# Altium PCB Tugas 1_Magang 2.PcbDoc
Units mil, origin at the board's own origin, x right, y up, seen from the top; angles counter-clockwise.
Board outline 4895 x 5200 mil, 2 copper layers (Top Layer, Bottom Layer); 18 components, 53 nets, 188 pads, 42 vias.
Unrouted connection lines stored in the file: 20.
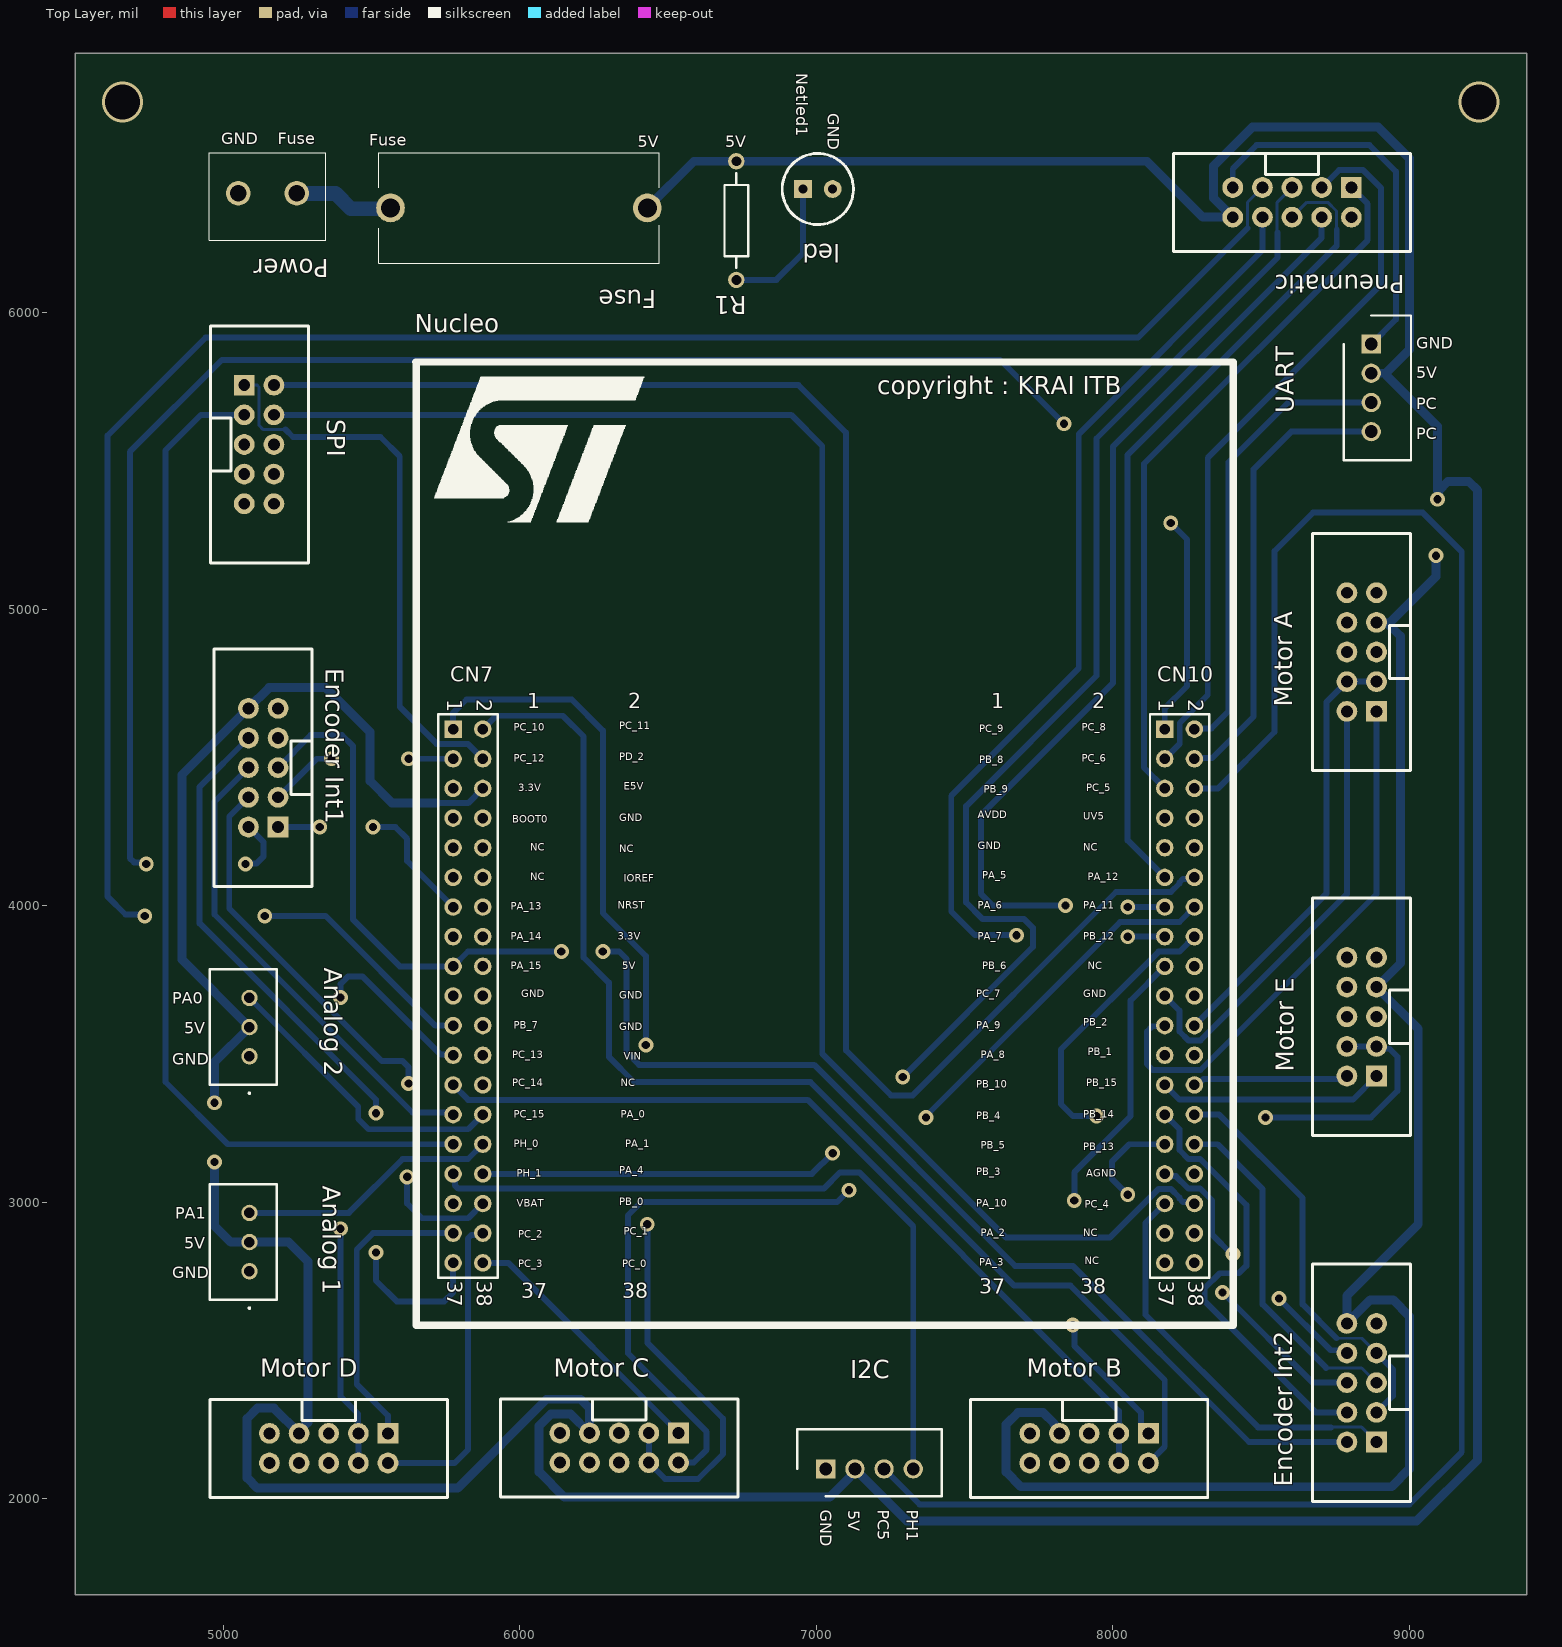
[diagram p0: Top Layer view]
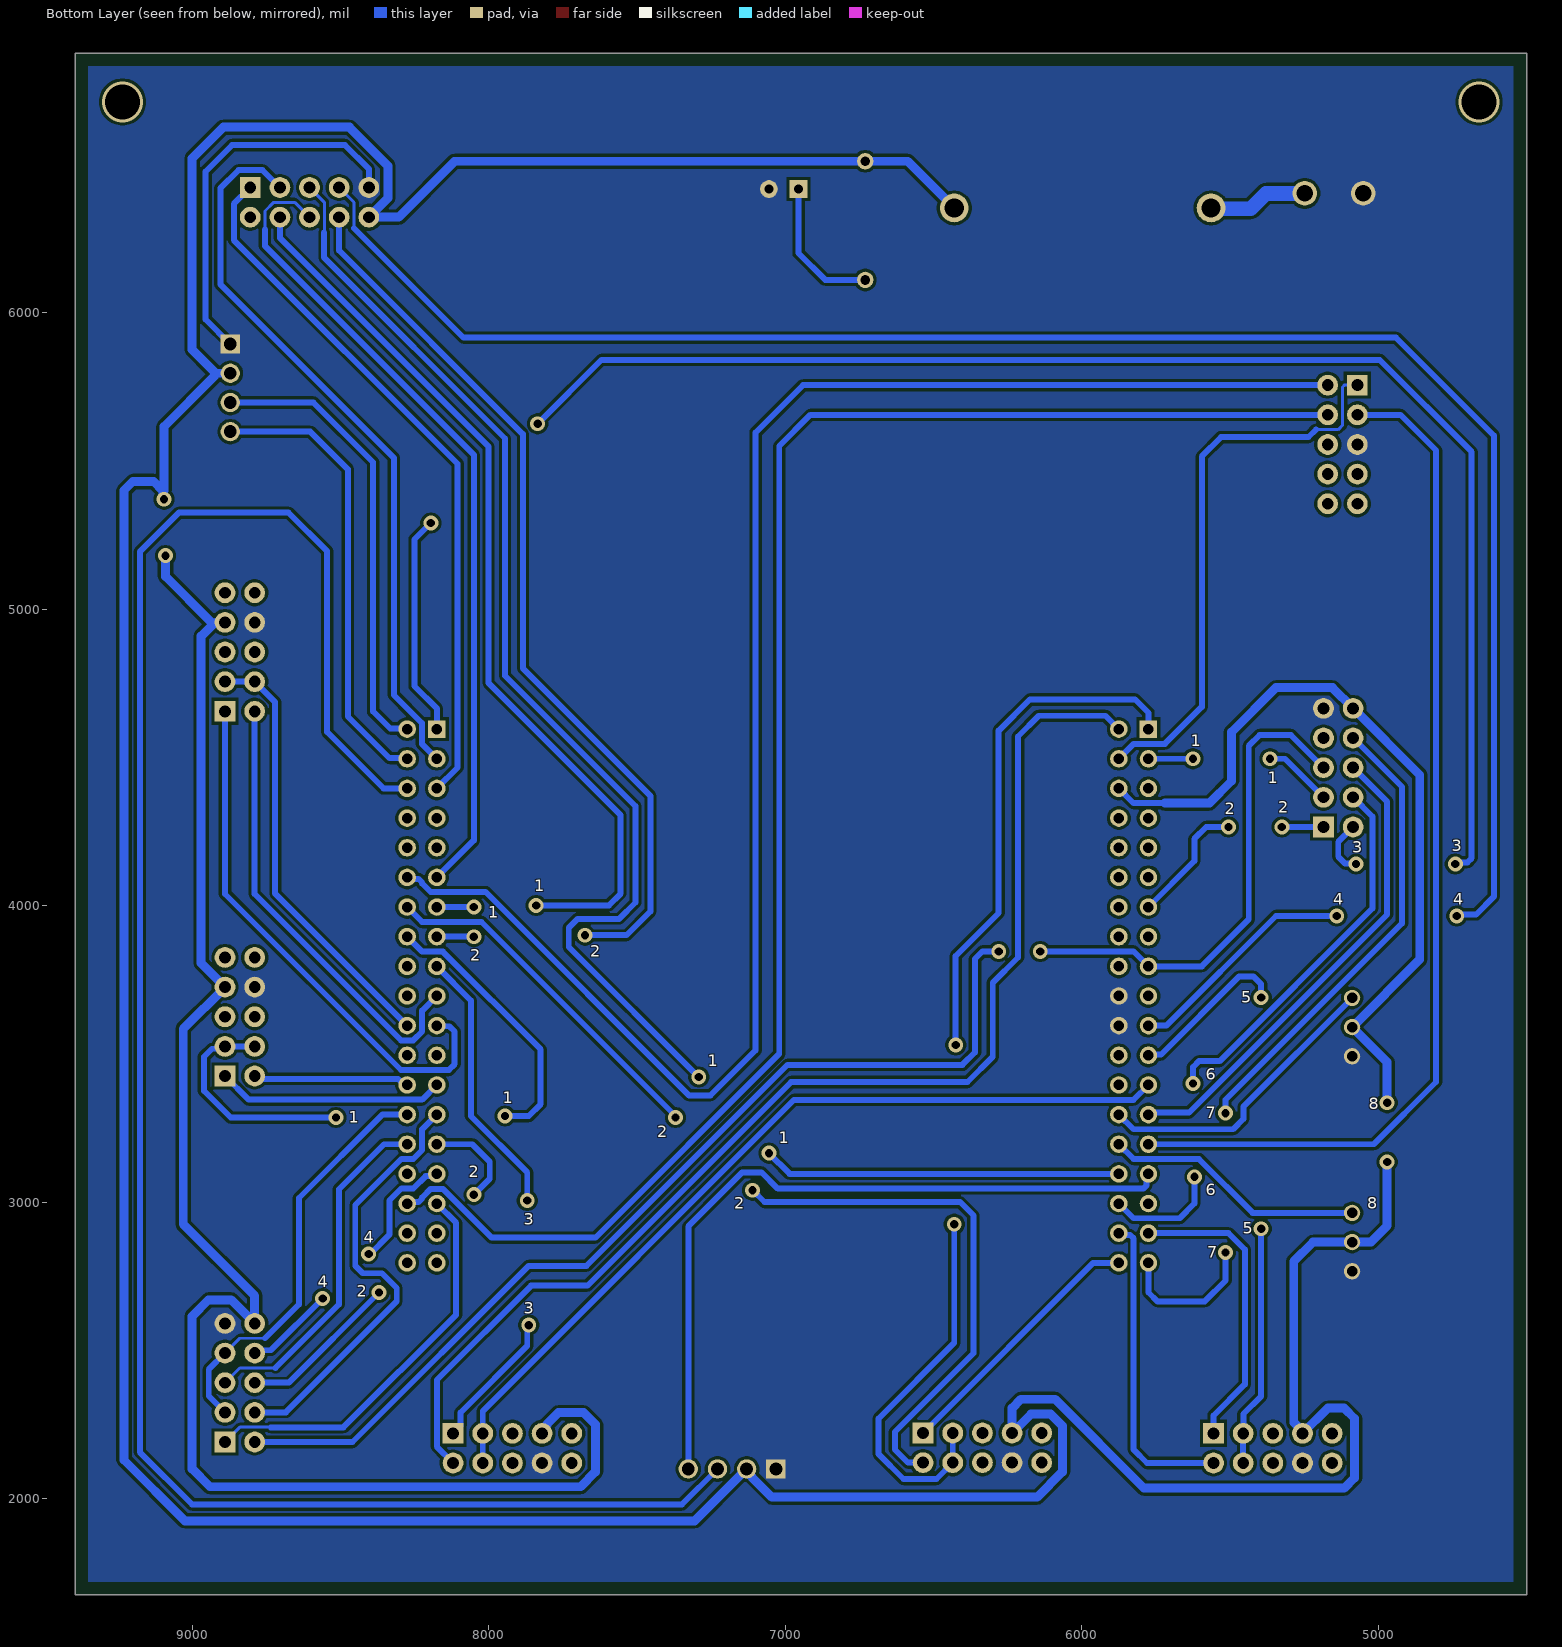
[diagram p1: Bottom Layer view, seen from below]

## Layer stack, top to bottom
Top Solder: solder mask 0.4, Solder Resist, Dk 3.5
Top Layer: signal copper 1.4
Dielectric 1: dielectric 12.6, FR-4, Dk 4.8
Bottom Layer: signal copper 1.4
Bottom Solder: solder mask 0.4, Solder Resist, Dk 3.5

## Board outline
9395,6875 9395,1675 4500,1675 4500,6875

## Design rules (kind name [scope] priority, off if disabled: settings)
Clearance [All] p1: gap=10 ignorepadtopadclearanceinfootprint=FALSE
PolygonConnect [All] p1: connectstyle=Direct reliefconductorwidth=10 reliefentries=4 polygonreliefangle="90 Angle" airgapwidth=10
RoomDefinition "Tugas 1_Magang 2" [InComponentClass('Tugas 1_Magang 2')] p1: confinementstyle=ConfineIn formatcopy=TRUE lockcomponents=FALSE outline 4500,1675 9395,1675 9395,6875 4500,6875
RoutingVias [All] p1: holewidth=28 width=50 viastyle="Through Hole" minholewidth=28 minwidth=50 maxholewidth=28 maxwidth=50
SolderMaskExpansion [All] p1: expansion=4 istentingtop=FALSE
Width [All] p1: maxlimit=50 minlimit=10 preferedwidth=20 toplayer_maxwidth=10 toplayer_prefwidth=10 minimp=50.000000 maximp=50.000000 favimp=50.000000
30 further rules are at their usual default settings.

## Classes and differential pairs
component class "Tugas 1_Magang 2": "Analog 1" "Analog 2" "Encoder Int1" "Encoder Int2" Fuse I2C led "Motor A" "Motor B" "Motor C" "Motor D" "Motor E" Pneumatic Power R1 SPI UART

## Components (designator, comment, footprint, x,y, rotation, side; value= is the part's Value field where it differs from the comment)
"Analog 1" "B3B-XH-A_LF__SN_" B3BXHALFSN 5088.23,2766.57 r90 top (schematic designator Analog_1)
"Analog 2" "B3B-XH-A_LF__SN_" B3BXHALFSN 5088.23,3491.57 r90 top (schematic designator Analog_2)
"Encoder Int1" "Header ISP" "Header ISP" 5284.69,4365 r90 top (schematic designator Encoder_Int1)
"Encoder Int2" "Header ISP" "Header ISP" 8989.19,2290.74 r90 top (schematic designator Encoder_Int2)
Fuse "C3131" C3131 6430,6352.58 r180 top
I2C "B4B-XH-A_LF__SN_" SHDR4W64P0X250_1X4_1240X575X700P 7031.57,2100 r0 top
led "LED 5mm" "LED 5mm" 7005,6416.49 r0 top
"Motor A" "Header ISP" "Header ISP" 8989.19,4755 r90 top (schematic designator Motor_A)
"Motor B" "Header ISP" "Header ISP" 8020,2320 r180 top (schematic designator Motor_B)
"Motor C" "Header ISP" "Header ISP" 6435,2321.07 r180 top (schematic designator Motor_C)
"Motor D" "Header ISP" "Header ISP" 5455.43,2320 r180 top (schematic designator Motor_D)
"Motor E" "Header ISP" "Header ISP" 8989.19,3525 r90 top (schematic designator Motor_E)
Nucleo "Shield Nucleo F446RE/F401RE no Pinout" "Shield Nucleo-F446RE/F401RE-tanpaPinOut" 7050,4045 r0 top
Pneumatic "Header ISP" "Header ISP" 8704.26,6521.49 r180 top
Power "KF301-2P" KF3012P 5247.68,6401.8 r180 top
R1 "Resistor 0.25W" "Resistor 0.25W" 6730,6310 r270 top
SPI "Header ISP" "Header ISP" 4970.5,5655 r270 top
UART "B4B-XH-A_LF__SN_" SHDR4W64P0X250_1X4_1240X575X700P 8871.47,5893.43 r270 top

## Footprints (in the part's own frame and the unit in brackets; to place one, negate y for a bottom-side part, rotate by r counter-clockwise, add the part's x,y. Pads: shape width x height; smd on the part's side, far side on the other; paste and mask are expansions set on the pad)
B3BXHALFSN [mm]
  round 1.4 hole 0.9: 1(0,0) 2(2.5,0) 3(5,0)
  silkscreen extent -3.2,-2.35 7.45,3.4, body extent -2.45,-2.35 7.45,3.4, height 7.09
C3131 [mm]
  round 2.46 hole 1.64: 1(0,0) 2(22,0)
  silkscreen extent -1,-4.75 23,4.75, body extent -1,-4.75 23,4.75, height 10.6
"Header ISP" [mil]
  rect 70x70 hole 40: 1(-100,100)
  round 70 hole 40: 2(-100,200) 3(0,100) 4(0,200) 5(100,100) 6(100,200) 7(200,100) 8(200,200) 9(300,100) 10(300,200)
  silkscreen extent -300,-14 500,316, body extent -300,-20 501,334, height 365
KF3012P [mm]
  round 2.1 hole 1.4: 1(0,0) 2(5,0)
  silkscreen extent -2.5,-3.5 7.5,4, body extent -2.99,-3.35 7.51,4.15, height 10
"LED 5mm" [mil]
  rect 60x60 hole 30: 1(-50,0)
  round 60 hole 30: 2(50,0)
  silkscreen extent -120,-120 120,120, body extent -117,-118 96,118, height 268
"Resistor 0.25W" [mm]
  round 1.4 hole 0.85: 1(-5.08,0) 2(5.08,0)
  silkscreen extent -4.06,-1.02 4.06,1.02, body extent -5.35,-1.27 5.35,1.33, height 2.7
SHDR4W64P0X250_1X4_1240X575X700P [mm]
  rect 1.65x1.65 hole 1.1: 1(0,0)
  round 1.65 hole 1.1: 2(2.5,0) 3(5,0) 4(7.5,0)
  silkscreen extent -2.45,-2.35 9.95,3.4, body extent -2.45,-2.88 9.95,2.88, height 7
"Shield Nucleo-F446RE/F401RE-tanpaPinOut" [mm] "Tanpa pin out"
  round 1.5 hole 0.9: 3.3V(-32.385,8.89) 3V3(-29.845,-3.81) 5V(-29.845,-6.35) AGND(31.115,-24.13) AVDD(28.575,6.35) BOOT0(-32.385,6.35) E5V(-29.845,8.89) GND(-29.845,6.35) GND1(-32.385,-8.89) GND2(-29.845,-8.89) GND3(-29.845,-11.43) GND4(28.575,3.81) GND5(31.115,-8.89) IOREF(-29.845,1.27) NC1(-32.385,3.81) NC2(-32.385,1.27) NC3(-29.845,3.81) NC4(-29.845,-16.51) NC5(31.115,3.81) NC6(31.115,-6.35) NC7(31.115,-29.21) NC8(31.115,-31.75) NRST(-29.845,-1.27) PA_0(-29.845,-19.05) PA_1(-29.845,-21.59) PA_2(28.575,-29.21) PA_3(28.575,-31.75) PA_4(-29.845,-24.13) PA_5(28.575,1.27) PA_6(28.575,-1.27) PA_7(28.575,-3.81) PA_8(28.575,-13.97) PA_9(28.575,-11.43) PA_10(28.575,-26.67) PA_11(31.115,-1.27) PA_12(31.115,1.27) PA_13(-32.385,-1.27) PA_14(-32.385,-3.81) PA_15(-32.385,-6.35) PB_0(-29.845,-26.67) PB_1(31.115,-13.97) PB_2(31.115,-11.43) PB_3(28.575,-24.13) PB_4(28.575,-19.05) PB_5(28.575,-21.59) PB_6(28.575,-6.35) PB_7(-32.385,-11.43) PB_8(28.575,11.43) PB_9(28.575,8.89) PB_10(28.575,-16.51) PB_12(31.115,-3.81) PB_13(31.115,-21.59) PB_14(31.115,-19.05) PB_15(31.115,-16.51) PC_0(-29.845,-31.75) PC_1(-29.845,-29.21) PC_2(-32.385,-29.21) PC_3(-32.385,-31.75) PC_4(31.115,-26.67) PC_5(31.115,8.89) PC_6(31.115,11.43) PC_7(28.575,-8.89) PC_8(31.115,13.97) PC_11(-29.845,13.97) PC_12(-32.385,11.43) PC_13(-32.385,-13.97) PC_14(-32.385,-16.51) PC_15(-32.385,-19.05) PD_2(-29.845,11.43) PH_0(-32.385,-21.59) PH_1(-32.385,-24.13) UV5(31.115,6.35) VBAT(-32.385,-26.67) VIN(-29.845,-13.97)
  rect 1.5x1.5 hole 0.9: PC_9(28.575,13.97) PC_10(-32.385,13.97)
  Bottom Layer lines w0.254: 28.321,-13.716 28.575,-13.97
  silkscreen extent -35.59,-37.08 34.44,45.42, body extent -35.58,-36.78 34.42,47.19, height 21.99

## Part data
"Analog 1" "Analog 2": "Connector", Arrow Part Number=B3B-XH-A(LF)(SN), Manufacturer_Name="JST (JAPAN SOLDERLESS TERMINALS)", Arrow Price/Stock=https://www.arrow.com/en/products/b3b-xh-a-lf-sn/jst-manufacturing?region=europe, Datasheet Link=https://datasheet.lcsc.com/szlcsc/1812131720_JST-Sales-America-B3B-XH-A-LF-SN_C144394.pdf, Height=7mm, Manufacturer_Part_Number=B3B-XH-A(LF)(SN)
Fuse: "Undefined or Miscellaneous", Manufacturer_Name="Xucheng Elec", Datasheet Link=https://datasheet.lcsc.com/szlcsc/XC-Elec-Shenzhen-5x20-BLX-Fuse-holder_C3131.pdf, Height=10.5mm, Manufacturer_Part_Number=C3131
I2C UART: "Connector", Manufacturer_Name="JST (JAPAN SOLDERLESS TERMINALS)", Manufacturer_Part_Number=B4B-XH-A(LF)(SN), Datasheet Link=http://uk.rs-online.com/web/p/products/8201551, Height=7mm
Nucleo: library part "Shield Nucleo-F446RE/F401RE-tanpa Pinout", "Tanpa Pinout"
Power: "Connector", Manufacturer_Name="Handson Technology", Datasheet Link=http://www.handsontec.com/dataspecs/terminal%20block-5mm.pdf, Height=10mm, Manufacturer_Part_Number=KF301-2P

## Via types
v1: diameter 50, hole 28, Top Layer to Bottom Layer, 40 vias
v2: diameter 137.8, hole 118.11, Top Layer to Bottom Layer, 2 vias

## Nets (pads, with @x,y where several pads share a name; then routed paths per layer and width w, separated by ;. In a path a pad name is that pad's centre, name@x,y a point inside that pad or via, vN(x,y) a via of type N, cw(c..) or ccw(c..) an arc to the next point about the centre after c; other vN are vias at no path point)
5V: "Analog 1.2" "Analog 2.2" "Encoder Int1.10" "Encoder Int2.10" "Motor A.7" "Motor B.7" "Motor C.7" "Motor D.7" "Motor E.7" Fuse.1 I2C.2 Nucleo.E5V Pneumatic.10 R1.1 UART.2 | length 22704.4
  Bottom Layer w20: 5720,4345.47 5825.47,4345.47 Nucleo.E5V
  Bottom Layer w30: v1(4970,3135) 4970,2920 5025,2865 5088.23,2865 5220,2865 5285,2800 5285,2256.72 5255.43,2227.15 5255.43,2220 5170.43,2305 5115,2305 5080,2270 5080,2070 5115,2035 5790,2035 6090,2335 6205,2335 6235,2305 6235,2221.07 6171.07,2285 6105,2285 6065,2245 6065,2090 6150,2005 7045,2005 7112.52,2072.52 7112.52,2073.06 7130,2090.54 I2C.2 7305,1925 9025,1925 9230,2130 9230,5400 9200,5430 9130,5430 9098.83,5398.83 9098.83,5373.83 v1(9095,5370) ; v1(4970,3335) 4970,3471.77 5088.23,3590 4860,3818.23 4860,4440.31 5084.69,4665 5154.69,4735 5345,4735 5495,4585 5495,4420 5569.53,4345.47 5720,4345.47 ; Fuse.1 6587.42,6510 R1.1 8115,6510 8303.51,6321.49 Pneumatic.10 8340,6385.75 8340,6495 8470,6625 8895,6625 9000,6520 9000,5875 8924.93,5799.93 8924.93,5785.07 9095,5615 9095,5398.83 ; 7820,2220 7820,2233.53 7801.54,2251.99 7801.54,2253.46 7765,2290 7680,2290 7640,2250 7640,2090 7690,2040 8940,2040 9000,2100 9000,2615 8945,2670 8868.45,2670 8789.19,2590.74 8789.19,2684.19 9030,2925 9030,3584.19 8889.19,3725 8970,3805.81 8970,4908.66 8929.33,4949.33 8938.66,4958.66 9090,5110 v1(9090,5180) ; UART.2 8922.43,5795 ; 8889.19,4955 8920,4955
Fuse: Fuse.2 Power.1 | length 338.7
  Bottom Layer w50: Power.1 5378.2,6401.8 5430,6350 5561.28,6350 Fuse.2
GND: "Analog 1.1" "Analog 2.1" "Encoder Int1.9" "Encoder Int2.9" "Motor A.8" "Motor B.8" "Motor C.8" "Motor D.8" "Motor E.8" I2C.1 led.2 Nucleo.GND2 Nucleo.GND3 Pneumatic.9 Power.2 SPI.5 UART.1 | length 1300.4
  Bottom Layer w20: Pneumatic.9 8404.26,6484.26 8485,6565 8865,6565 8955,6475 8955,5976.96 UART.1
Netled_1: led.1 R1.2 | length 482.5
  Bottom Layer w20: R1.2 6865,6110 6955,6200 led.1@6955,6420.22
PA_0: "Analog 2.3" Nucleo.PA_0 | length 1015.2
  Bottom Layer w20: 5088.23,3688.43 5455,3321.65 5455,3280 5489.53,3245.47 5825.47,3245.47 Nucleo.PA_0
PA_1: "Analog 1.3" Nucleo.PA_1 | length 882.7
  Bottom Layer w20: 5088.23,2963.43 5423.43,2963.43 5605,3145 5825,3145 Nucleo.PA_1
PA_4: Nucleo.PA_4 Pneumatic.5 | length 5021.8
  Bottom Layer w10: 8555,6270 8554.26,6270.74 8554.26,6371.49 Pneumatic.5
  Bottom Layer w20: Nucleo.PA_4 6985,3095 v1(7055,3165) ; v1(7291.45,3421.45) 7730,3860 7730,3925 7700,3955 7560,3955 7505,4010 7505,4335 7945,4775 7945,5575 8555,6185 8555,6270
PA_5: Nucleo.PA_5 Pneumatic.6 | length 2787.7
  Bottom Layer w10: Pneumatic.6 8654.26,6371.49 8724.97,6371.49 8754.26,6342.2 8754.26,6280.74 8755,6280
  Bottom Layer w20: Nucleo.PA_5 8050,4220 8050,5520 8755,6225 8755,6280 ; Pneumatic.6 Pneumatic.6@8617.79,6321.49
PA_6: Nucleo.PA_6 Pneumatic.4 | length 3179.7
  Bottom Layer w20: v1(7840,4000) 7595,4000 7555,4040 7555,4305 8000,4750 8000,5547.43 8704.26,6251.69 Pneumatic.4 ; v1@8065,3995 Nucleo.PA_6 Nucleo.PA_6@8182.47,4002.47
  other v1: 8050,3995
PA_7: Nucleo.PA_7 Pneumatic.8 | length 3154.2
  Bottom Layer w20: v1(7675,3900) 7535,3900 7455,3980 7455,4370 7885,4800 7885,5590 8504.26,6209.26 Pneumatic.8 ; v1(8050,3895) Nucleo.PA_7
PA_8: Nucleo.PA_8
PA_9: "Motor A.1" Nucleo.PA_9 | length 1822.3
  Bottom Layer w20: Nucleo.PA_9 8172.91,3592.91 8132.91,3592.91 8115,3575 8115,3465 8134.53,3445.47 8295.51,3445.47 8889.19,4039.15 8889.19,4655
PA_10: "Encoder Int2.1" Nucleo.PA_10 | length 1359.5
  Bottom Layer w10: 8735,2240 8735.74,2240.74 8839.19,2240.74 8889.19,2190.74
  Bottom Layer w20: Nucleo.PA_10 8110,2930 8110,2620 8490,2240 8735,2240
PA_11: "Motor C.2" Nucleo.PA_11 | length 2995.2
  Bottom Layer w20: 6535,2121.07 6535.43,2121.5 6586.5,2121.5 6630,2165 6630,2225 6365,2490 6365,2955 6410,3000 7070,3000 v1(7110,3040) ; v1(7370,3285) 7370,3290 8024.53,3944.53 8224.53,3944.53 Nucleo.PA_11
PA_12: Nucleo.PA_12 SPI.2 | length 5623.3
  Bottom Layer w20: SPI.2 6940,5755 7100,5595 7100,3511.8 7251.8,3360 7325,3360 8010.47,4045.47 8195.51,4045.47 8224.53,4074.49 8224.53,4077.86 8236.24,4089.57 8269.57,4089.57 Nucleo.PA_12
PA_13: "Encoder Int1.1" Nucleo.PA_13 | length 566.1
  Bottom Layer w20: 5184.69,4265 v1(5325,4265) ; v1(5505,4265) 5580,4265 5620,4225 5620,4150 Nucleo.PA_13
PA_14: Nucleo.PA_14
PA_15: "Encoder Int1.5" "Encoder Int2.2" Nucleo.PA_15 | length 5066.3
  Bottom Layer w20: 5184.69,4465 5294.69,4575 5400,4575 5436.65,4538.35 5436.65,3953.35 5595,3795 Nucleo.PA_15 5825,3845 v1(6140,3845) ; v1(6280,3845) 6335,3845 6360,3820 6360,3505 6402.5,3462.5 6992.5,3462.5 7670,2785 7865,2785 8459.26,2190.74 8789.19,2190.74
PB_0: "Encoder Int1.4" Nucleo.PB_0 | length 1669.4
  Bottom Layer w20: 5084.69,4365 5020,4300.31 5020,3990 5535,3475 5605,3475 5625,3455 v1(5625,3400) ; v1(5620,3085) 5620,2995 5669.53,2945.47 5825.47,2945.47 Nucleo.PB_0
PB_1: Nucleo.PB_1
PB_2: "Motor A.3" "Motor A.4" Nucleo.PB_2 | length 1473
  Bottom Layer w20: Nucleo.PB_2 8720,4040 8720,4685.81 8789.19,4755 8889.19,4755
PB_3: "Encoder Int2.8" Nucleo.PB_3 | length 714.7
  Bottom Layer w20: Nucleo.PB_3 8182.47,3087.53 8212.43,3087.53 8254.49,3045.47 8294.57,3045.47 8335,3005.04 8335,2890 8400,2825 v1(8405,2825) ; v1(8560,2675) 8734.69,2500.31 8779.62,2500.31 8789.19,2490.74
PB_4: "Encoder Int2.4" Nucleo.PB_4 | length 1497.7
  Bottom Layer w20: Nucleo.PB_4 8224.53,3245.47 8224.53,3175.43 8254.49,3145.47 8294.57,3145.47 8450,2990.04 8450,2785 8425,2760 8360,2760 8310,2710 8310,2665 8684.26,2290.74 8789.19,2290.74
PB_5: "Encoder Int2.6" Nucleo.PB_5 | length 881.7
  Bottom Layer w20: v1(8050,3025) 7996.44,3078.56 7996.44,3136.44 8055,3195 Nucleo.PB_5 ; v1(8370,2695) 8674.26,2390.74 8789.19,2390.74
PB_6: "Motor B.1" Nucleo.PB_6 | length 1387
  Bottom Layer w20: v1(7865,2585) 7870,2580 7870,2515 8095,2290 8095,2245 8120,2220 ; v1(7870,3005) 7870,3100 8060,3290 8060,3680 Nucleo.PB_6
PB_7: Nucleo.PB_7 Pneumatic.7 | length 6787
  Bottom Layer w10: 8454.26,6284.26 8454.26,6371.49 Pneumatic.7
  Bottom Layer w20: v1(4735,3965) 4730,3970 4670,3970 4610,4030 4610,5585 4940,5915 8085,5915 8454.26,6284.26 ; v1(5140,3965) 5345,3965 5715,3595 Nucleo.PB_7
PB_8: Nucleo.PB_8 Pneumatic.3 | length 2476.6
  Bottom Layer w20: Nucleo.PB_8 8225.47,4545.47 8225.47,4615.52 8320,4710.04 8320,5510 8905,6095 8905,6419.04 8844.04,6480 8762.77,6480 Pneumatic.3
PB_9: Nucleo.PB_9 Pneumatic.1 | length 2390.7
  Bottom Layer w20: Nucleo.PB_9 8105,4465 8105,5490 8859.26,6244.26 8859.26,6366.49 Pneumatic.1
PB_10: "Motor E.1" Nucleo.PB_10 | length 767.6
  Bottom Layer w20: Nucleo.PB_10 8224.53,3345.47 8809.66,3345.47 8889.19,3425
PB_11: "Encoder Int1.7"
PB_12: "Motor E.3" "Motor E.4" Nucleo.PB_12 | length 1711.6
  Bottom Layer w20: v1(7945,3290) 7865,3290 7825,3330 7825,3515.04 8154.48,3844.53 8224.53,3844.53 Nucleo.PB_12 ; v1(8515,3285) 8870,3285 8960,3375 8960,3490 8933.06,3516.94 8897.25,3516.94 8889.19,3525 8789.19,3525
PB_13: "Encoder Int2.5" Nucleo.PB_13 | length 1174.8
  Bottom Layer w10: 8719.26,2440.74 8839.19,2440.74 8889.19,2390.74
  Bottom Layer w20: Nucleo.PB_13 8353.28,3195 8505,3043.28 8505,2655 8719.26,2440.74
PB_14: "Encoder Int2.3" "Encoder Int2.7" Nucleo.PB_14 | length 1403
  Bottom Layer w10: 8754.26,2540.74 8839.19,2540.74 8889.19,2490.74
  Bottom Layer w20: Nucleo.PB_14 8358.64,3295 8640,3013.64 8640,2655 8754.26,2540.74 ; 8889.19,2290.74 8944.19,2345.74 8944.19,2435.74 8889.19,2490.74
PB_15: "Motor E.2" Nucleo.PB_15 | length 526.6
  Bottom Layer w20: Nucleo.PB_15 8285.57,3395 8306.04,3415.47 8779.66,3415.47 8789.19,3425
PC_0: "Motor C.1" Nucleo.PC_0 | length 897.7
  Bottom Layer w20: Nucleo.PC_0 5961.07,2795 6535,2221.07
PC_1: "Motor D.2" Nucleo.PC_1 | length 1057.9
  Bottom Layer w20: 5555.43,2120 5780,2120 5825,2165 5825,2877.38 5836.72,2889.1 5869.1,2889.1 Nucleo.PC_1
PC_2: "Motor D.1" Nucleo.PC_2 | length 1011.5
  Bottom Layer w20: 5555.43,2220 5555.43,2279.57 5450,2385 5450,2840 5505,2895 Nucleo.PC_2
PC_3: "Encoder Int1.8" Nucleo.PC_3 | length 2076.1
  Bottom Layer w20: 5084.69,4565 4920,4400.31 4920,3940 5515,3345 v1(5515,3300) ; v1(5515,2830) 5515,2735 5585,2665 5745,2665 5775,2695 Nucleo.PC_3
PC_4: Nucleo.PC_4 SPI.4 | length 5542.8
  Bottom Layer w20: SPI.4 6915,5655 7020,5550 7020,3500 7640,2880 7989.96,2880 8154.48,3044.53 8195.51,3044.53 8224.53,3015.51 8224.53,3012.14 8236.24,3000.43 8269.57,3000.43 Nucleo.PC_4@8269.57,2995.43
PC_5: I2C.3 Nucleo.PC_5 | length 6806.5
  Bottom Layer w20: I2C.3 7348.43,1980 9000,1980 9176.66,2156.66 9176.66,5193.34 9045,5325 8675,5325 8545,5195 8545,4585 8355,4395 Nucleo.PC_5
PC_6: Nucleo.PC_6 UART.4 | length 1542
  Bottom Layer w20: Nucleo.PC_6 8276.95,4496.95 8334.53,4496.95 8475,4637.43 8475,5471.43 8601.72,5598.15 UART.4
PC_7: "Motor A.2" Nucleo.PC_7 | length 1537.5
  Bottom Layer w20: Nucleo.PC_7 8224.53,3645.47 8224.53,3575.43 8254.49,3545.47 8295.51,3545.47 8789.19,4039.15 8789.19,4655
PC_8: Nucleo.PC_8 UART.3 | length 1544.8
  Bottom Layer w20: Nucleo.PC_8 8276.95,4596.95 8331.95,4596.95 8390,4655 8390,5495 8591.57,5696.57 UART.3
PC_9: "Encoder Int1.2" Nucleo.PC_9 | length 5751.8
  Bottom Layer w20: v1(4740,4140) 4734.26,4145.74 4699.26,4145.74 4685,4160 4685,5530 4995,5840 7620,5840 v1(7835,5625) ; v1(5075,4140) 5076.39,4141.39 5111.39,4141.39 5135,4165 5135,4214.69 5084.69,4265 ; Nucleo.PC_9@8167.19,4602.81 Nucleo.PC_9 8175,4665 8250,4740 8250,5235 v1(8195,5290)
PC_10: "Motor C.3" "Motor C.4" Nucleo.PC_10 | length 3030.4
  Bottom Layer w20: Nucleo.PC_10 5775,4650 5820,4695 6175,4695 6280,4590 6280,3975 6425,3830 v1(6425,3530) ; v1(6430,2925) 6430,2525 6685,2270 6685,2150 6601.07,2066.07 6490,2066.07 6435,2121.07 6435,2221.07
PC_11: "Motor B.2" Nucleo.PC_11 | length 4132.1
  Bottom Layer w20: Nucleo.PC_11 5920,4640 6145,4640 6215,4570 6215,3825 6300,3740 6300,3490 6385,3405 6980,3405 7667.01,2717.99 7857.01,2717.99 8175,2400 8175,2175 8120,2120
PC_12: "Encoder Int1.3" Nucleo.PC_12 | length 384.2
  Bottom Layer w20: 5184.69,4365 5314.69,4495 v1(5365,4495) ; v1(5625,4495) Nucleo.PC_12
PC_13: "Motor D.3" "Motor D.4" Nucleo.PC_13 | length 1360.2
  Bottom Layer w20: v1(5395,2910) 5395,2345 5455,2285 5455,2220.43 5455.43,2220 5455.43,2120 ; v1(5395,3690) 5395,3735 5420,3760 5470,3760 5732.91,3497.09 5772.91,3497.09 Nucleo.PC_13
PC_14: "Motor B.3" "Motor B.4" Nucleo.PC_14 | length 2875.6
  Bottom Layer w20: Nucleo.PC_14 5825.47,3344.53 6970.47,3344.53 8020,2295 8020,2220 8020,2120
PC_15: "Encoder Int1.6" Nucleo.PC_15 | length 1627.1
  Bottom Layer w20: 5084.69,4465 4970,4350.31 4970,3970 5637.91,3302.09 5767.91,3302.09 Nucleo.PC_15
PD_2: Nucleo.PD_2 SPI.1 | length 1897.3
  Bottom Layer w10: SPI.1 5114.64,5755 5120.5,5749.14 5120.5,5619.5 5135,5605 5210,5605
  Bottom Layer w20: 5210,5605 5235,5580 5530,5580 5595,5515 5595,4670 5719.53,4545.47 5824.53,4545.47 Nucleo.PD_2
PH_0: Nucleo.PH_0 SPI.3 | length 3502.2
  Bottom Layer w20: SPI.3 4925,5655 4805,5535 4805,3405 5015,3195 Nucleo.PH_0
PH_1: I2C.4 Nucleo.PH_1 | length 2507.8
  Bottom Layer w20: Nucleo.PH_1 5780.9,3089.1 5780.9,3056.72 5792.62,3045 7025,3045 7080,3100 7145,3100 7200,3045 7326.85,2918.15 I2C.4
pads on no net: "Motor A.5" "Motor A.6" "Motor A.9" "Motor A.10" "Motor B.5" "Motor B.6" "Motor B.9" "Motor B.10" "Motor C.5" "Motor C.6" "Motor C.9" "Motor C.10" "Motor D.5" "Motor D.6" "Motor D.9" "Motor D.10" "Motor E.5" "Motor E.6" "Motor E.9" "Motor E.10" Nucleo.3.3V Nucleo.3V3 Nucleo.5V Nucleo.AGND Nucleo.AVDD Nucleo.BOOT0 Nucleo.GND Nucleo.GND1 Nucleo.GND4 Nucleo.GND5 Nucleo.IOREF Nucleo.NC1 Nucleo.NC2 Nucleo.NC3 Nucleo.NC4 Nucleo.NC5 Nucleo.NC6 Nucleo.NC7 Nucleo.NC8 Nucleo.NRST Nucleo.PA_2 Nucleo.PA_3 Nucleo.UV5 Nucleo.VBAT Nucleo.VIN Pneumatic.2 SPI.6 SPI.7 SPI.8 SPI.9 SPI.10
copper on no net:
  other v2: 4660,6710 9235,6710

## Polygon pours and split planes (outlines as drawn)
GND on Bottom Layer "GND_L02_P000" (solid, pour order 0): 9350,6830 9350,1720 4545,1720 4545,6830

## Silkscreen, mask and mechanical layers (free items; w line width, h text height)
Top Overlay:
  text "Netled1" at 6933,6807 h40 r270
  text "GND" at 7038,6672 h40 r270
  text "GND" at 4993,6568 h40
  text "Fuse" at 5183,6568 h40
  text "Fuse" at 5493,6563 h40
  text "5V" at 6398,6558 h40
  text "5V" at 6693,6558 h40
  text "GND" at 9023,5878 h40
  text "5V" at 9023,5778 h40
  text "PC" at 9023,5673 h40
  text "PC" at 9023,5573 h40
  text "PA0" at 4828,3668 h40
  text "5V" at 4868,3568 h40
  text "GND" at 4828,3463 h40
  text "PA1" at 4838,2943 h40
  text "5V" at 4868,2843 h40
  text "GND" at 4828,2743 h40
  text "GND" at 7013,1962 h40 r270
  text "PC5" at 7206.43,1962 h40 r270
  text "PH1" at 7304.85,1962 h40 r270
  text "5V" at 7107.63,1960.47 h40 r270
Bottom Overlay:
  text "1" at 5632,4538 h40
  text "1" at 5372,4413 h40
  text "2" at 5337,4313 h40
  text "2" at 5517,4308 h40
  text "3" at 4752,4183 h40
  text "3" at 5087,4178 h40
  text "1" at 7847,4048 h40
  text "4" at 4747,4003 h40
  text "4" at 5152,4003 h40
  text "1" at 8002,3958 h40
  text "2" at 7657,3828 h40
  text "2" at 8062,3813 h40
  text "5" at 5462,3673 h40
  text "1" at 7262,3458 h40
  text "6" at 5582,3413 h40
  text "1" at 7952,3333 h40
  text "8" at 5032,3313 h40
  text "7" at 5582,3283 h40
  text "1" at 8472,3268 h40
  text "2" at 7432,3218 h40
  text "1" at 7022,3198 h40
  text "2" at 8067,3083 h40
  text "6" at 5582,3023 h40
  text "8" at 5037,2978 h40
  text "2" at 7172,2978 h40
  text "3" at 7882,2923 h40
  text "5" at 5457,2893 h40
  text "4" at 8422,2863 h40
  text "7" at 5577,2813 h40
  text "4" at 8577,2713 h40
  text "2" at 8445,2680 h40
  text "3" at 7882,2623 h40

## Text inside footprints (layer, text, board x,y; h text height)
Nucleo: Top Overlay "CN10" at 8150,4755 h50; Top Overlay "CN7" at 5765,4755 h50; Top Overlay "38" at 7890,2690 h50; Top Overlay "37" at 7550,2690 h50; Top Overlay "37" at 6005,2675 h50; Top Overlay "38" at 6345,2675 h50; Top Overlay "1" at 7590,4665 h50; Top Overlay "2" at 7930,4665 h50; Top Overlay "2" at 6365,4665 h50; Top Overlay "PB_2" at 7900,3595 h25; Top Overlay "PA_3" at 7550,2785 h25; Top Overlay "PC_4" at 7905,2980 h25; Top Overlay "NC" at 7900,2885 h25; Top Overlay "NC" at 7905,2790 h25; Top Overlay "PB_14" at 7900,3285 h25; Top Overlay "PB_13" at 7900,3175 h25; Top Overlay "AGND" at 7910,3085 h25; Top Overlay "GND" at 7900,3690 h25; Top Overlay "PB_1" at 7915,3495 h25; Top Overlay "PB_15" at 7910,3390 h25; Top Overlay "PA_11" at 7900,3990 h25; Top Overlay "PB_12" at 7900,3885 h25; Top Overlay "NC" at 7915,3785 h25; Top Overlay "UV5" at 7900,4290 h25; Top Overlay "NC" at 7900,4185 h25; Top Overlay "PA_12" at 7915,4085 h25; Top Overlay "PC_8" at 7895,4590 h25; Top Overlay "PC_6" at 7895,4485 h25; Top Overlay "PC_5" at 7910,4385 h25; Top Overlay "PB_3" at 7540,3090 h25; Top Overlay "PA_10" at 7540,2985 h25; Top Overlay "PA_2" at 7555,2885 h25; Top Overlay "PB_10" at 7540,3385 h25; Top Overlay "PB_4" at 7540,3280 h25; Top Overlay "PB_5" at 7555,3180 h25; Top Overlay "PC_7" at 7540,3690 h25; Top Overlay "PA_9" at 7540,3585 h25; Top Overlay "PA_8" at 7555,3485 h25; Top Overlay "PA_6" at 7545,3990 h25; Top Overlay "PA_7" at 7545,3885 h25; Top Overlay "PB_6" at 7560,3785 h25; Top Overlay "AVDD" at 7545,4295 h25; Top Overlay "GND" at 7545,4190 h25; Top Overlay "PA_5" at 7560,4090 h25; Top Overlay "PC_9" at 7550,4585 h25; Top Overlay "PB_8" at 7550,4480 h25; Top Overlay "PB_9" at 7565,4380 h25; Top Overlay "PC_0" at 6345,2780 h25; Top Overlay "PA_4" at 6335,3095 h25; Top Overlay "PB_0" at 6335,2990 h25; Top Overlay "PC_1" at 6350,2890 h25; Top Overlay "NC" at 6340,3390 h25; Top Overlay "PA_0" at 6340,3285 h25; Top Overlay "PA_1" at 6355,3185 h25; Top Overlay "GND" at 6335,3685 h25; Top Overlay "GND" at 6335,3580 h25; Top Overlay "VIN" at 6350,3480 h25; Top Overlay "NRST" at 6330,3990 h25; Top Overlay "3.3V" at 6330,3885 h25; Top Overlay "5V" at 6345,3785 h25; Top Overlay "GND" at 6335,4285 h25; Top Overlay "NC" at 6335,4180 h25; Top Overlay "IOREF" at 6350,4080 h25; Top Overlay "PC_11" at 6335,4595 h25; Top Overlay "PD_2" at 6335,4490 h25; Top Overlay "E5V" at 6350,4390 h25; Top Overlay "PC_3" at 5995,2780 h25; Top Overlay "PC_2" at 5995,2880 h25; Top Overlay "VBAT" at 5990,2985 h25; Top Overlay "PH_1" at 5990,3085 h25; Top Overlay "PH_0" at 5980,3185 h25; Top Overlay "PC_15" at 5980,3285 h25; Top Overlay "PC_14" at 5975,3390 h25; Top Overlay "PC_13" at 5975,3485 h25; Top Overlay "PB_7" at 5980,3585 h25; Top Overlay "GND" at 6005,3690 h25; Top Overlay "PA_15" at 5970,3785 h25; Top Overlay "PA_14" at 5970,3885 h25; Top Overlay "PA_13" at 5970,3985 h25; Top Overlay "NC" at 6035,4085 h25; Top Overlay "NC" at 6035,4185 h25; Top Overlay "BOOT0" at 5975,4280 h25; Top Overlay "3.3V" at 5995,4385 h25; Top Overlay "PC_12" at 5980,4485 h25; Top Overlay "PC_10" at 5980,4590 h25; Top Overlay "38" at 8255,2735 h50 r270; Top Overlay "37" at 8155,2735 h50 r270; Top Overlay "1" at 8155,4695 h50 r270; Top Overlay "2" at 8255,4695 h50 r270; Top Overlay "1" at 6025,4665 h50; Top Overlay "38" at 5855,2735 h50 r270; Top Overlay "37" at 5755,2735 h50 r270; Top Overlay "1" at 5755,4695 h50 r270; Top Overlay "2" at 5855,4695 h50 r270; Top Overlay "copyright : KRAI ITB" at 7205,5725 h60